# KiCad board vme-wren.kicad_pcb (continued)
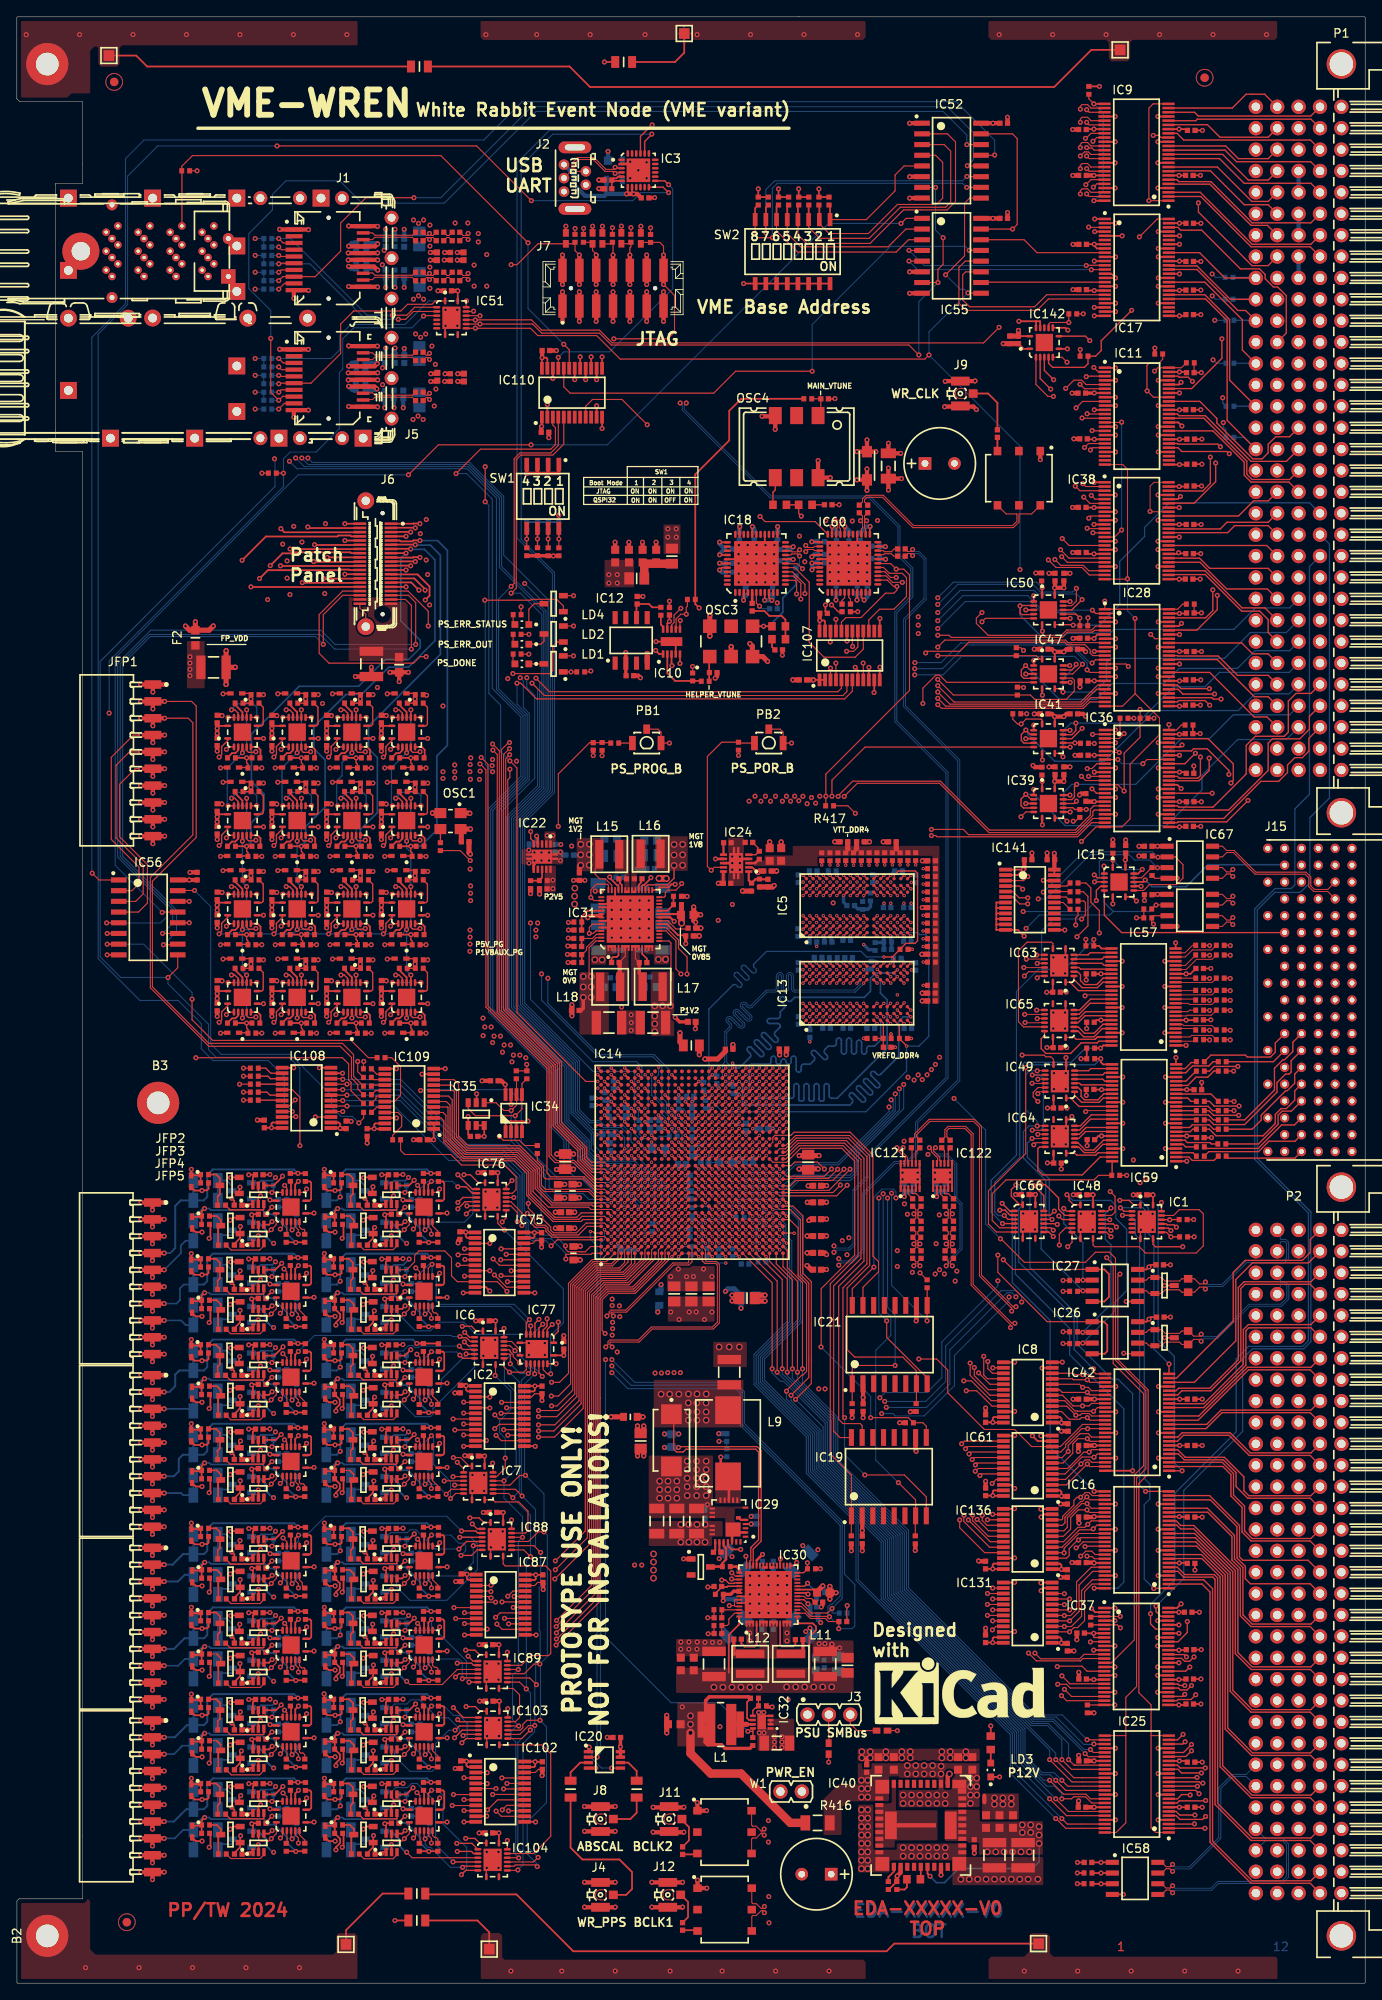
[diagram p0: board, top side]
## Placement (name value [footprint] x y rotation side) (continued)
R577  R0402_1K_1%_0.0625W_100PPM  [RESC1005X40N]  47.79 152.99 180 top
R578  R0402_4R7_1%_0.0625W_200PPM  [RESC1005X40N]  38.49 145.49 0 top
R579  R0402_4R7_1%_0.0625W_200PPM  [RESC1005X40N]  41.39 145.49 180 top
R580  R0402_4R7_1%_0.0625W_200PPM  [RESC1005X40N]  41.29 151.99 180 top
R581  R0402_4R7_1%_0.0625W_200PPM  [RESC1005X40N]  39.39 151.99 0 top
R582  R0402_1K_1%_0.0625W_100PPM  [RESC1005X40N]  40.92 144.29 180 top
R583  R0402_1K_1%_0.0625W_100PPM  [RESC1005X40N]  41.29 152.99 180 top
R585  R0402_10K_1%_0.0625W_100PPM  [RESC1005X40N]  33.21 70.62 90 bottom
R586  R0402_10K_1%_0.0625W_100PPM  [RESC1005X40N]  49.01 70.62 90 bottom
R587  R0402_10K_1%_0.0625W_100PPM  [RESC1005X40N]  33.21 60.62 90 bottom
R588  R0402_10K_1%_0.0625W_100PPM  [RESC1005X40N]  49.02 48.82 90 bottom
R589  R0402_10K_1%_0.0625W_100PPM  [RESC1005X40N]  33.22 38.82 90 bottom
R590  R0402_10K_1%_0.0625W_100PPM  [RESC1005X40N]  33.22 48.82 90 bottom
R591  R0402_10K_1%_0.0625W_100PPM  [RESC1005X40N]  49.02 38.82 90 bottom
R592  R0402_10K_1%_0.0625W_100PPM  [RESC1005X40N]  33.22 28.52 90 bottom
R593  R0402_10K_1%_0.0625W_100PPM  [RESC1005X40N]  33.22 18.52 90 bottom
R594  R0402_10K_1%_0.0625W_100PPM  [RESC1005X40N]  49.02 18.52 90 bottom
R595  R0402_10K_1%_0.0625W_100PPM  [RESC1005X40N]  49.02 28.52 90 bottom
SCREW1  -  [BOSSARD_BN5687-3061600_v]  65.44 250 90 top
SCREW2  -  [BOSSARD_BN5687-3061600_v]  72.44 250 90 top
SCREW3  -  [BOSSARD_BN5687-3061600_v]  65.44 257 90 top
SCREW4  -  [BOSSARD_BN5687-3061600_v]  72.44 257 90 top
SW1  -  [SW_TYCO_1571983-4]  62.46 176.54 270 top
SW2  -  [SW_TYCO_1-1571983-0]  92.13 205.59 270 top
T2  BSS138LT1G  [SOT95P240X110-3N]  63.75 156.64 180 top
T3  BSS138LT1G  [SOT95P240X110-3N]  63.75 160.19 180 top
T4  BSS138LT1G  [SOT95P240X110-3N]  63.75 163.79 180 top
T5  FDV301N  [SOT95P240X110-3N]  42.51 94.07 180 bottom
T7  FDV301N  [SOT95P240X110-3N]  26.71 94.07 180 bottom
T9  FDV301N  [SOT95P240X110-3N]  26.71 84.07 180 bottom
T11  FDV301N  [SOT95P240X110-3N]  42.51 84.07 180 bottom
T13  FDV301N  [SOT95P240X110-3N]  42.51 63.87 180 bottom
T15  FDV301N  [SOT95P240X110-3N]  26.71 73.87 180 bottom
T19  FDV301N  [SOT95P240X110-3N]  42.51 73.87 180 bottom
T21  FDV301N  [SOT95P240X110-3N]  26.71 63.87 180 bottom
T23  FDV301N  [SOT95P240X110-3N]  42.52 52.07 180 bottom
T25  FDV301N  [SOT95P240X110-3N]  26.72 42.07 180 bottom
T27  FDV301N  [SOT95P240X110-3N]  26.72 52.07 180 bottom
T29  FDV301N  [SOT95P240X110-3N]  42.52 42.07 180 bottom
T31  FDV301N  [SOT95P240X110-3N]  26.72 31.77 180 bottom
T35  FDV301N  [SOT95P240X110-3N]  26.72 21.77 180 bottom
T37  FDV301N  [SOT95P240X110-3N]  42.52 21.77 180 bottom
T39  FDV301N  [SOT95P240X110-3N]  42.52 31.77 180 bottom
T40  FDV301N  [SOT95P240X110-3N]  42.53 89.4 180 bottom
T41  FDV301N  [SOT95P240X110-3N]  26.73 89.4 180 bottom
T42  FDV301N  [SOT95P240X110-3N]  26.73 79.4 180 bottom
T43  FDV301N  [SOT95P240X110-3N]  42.53 79.4 180 bottom
T44  FDV301N  [SOT95P240X110-3N]  42.53 59.2 180 bottom
T45  FDV301N  [SOT95P240X110-3N]  26.73 69.2 180 bottom
T46  FDV301N  [SOT95P240X110-3N]  42.53 69.2 180 bottom
T47  FDV301N  [SOT95P240X110-3N]  26.73 59.2 180 bottom
T48  FDV301N  [SOT95P240X110-3N]  42.54 47.39 180 bottom
T49  FDV301N  [SOT95P240X110-3N]  26.74 37.39 180 bottom
T50  FDV301N  [SOT95P240X110-3N]  26.74 47.39 180 bottom
T51  FDV301N  [SOT95P240X110-3N]  42.54 37.39 180 bottom
T52  FDV301N  [SOT95P240X110-3N]  26.74 27.09 180 bottom
T53  FDV301N  [SOT95P240X110-3N]  26.74 17.09 180 bottom
T54  FDV301N  [SOT95P240X110-3N]  42.54 17.09 180 bottom
T55  FDV301N  [SOT95P240X110-3N]  42.54 27.09 180 bottom
TP1  SMD_PAD_1.27X1.27MM  [TPS127]  131.02 229.55 0 top
TP2  SMD_PAD_1.27X1.27MM  [TPS127]  39.09 4.6 0 top
TP3  SMD_PAD_1.27X1.27MM  [TPS127]  79.26 231.49 0 top
TP4  SMD_PAD_1.27X1.27MM  [TPS127]  121.34 4.7 90 top
TP5  SMD_PAD_1.27X1.27MM  [TPS127]  10.93 228.87 0 top
TP6  SMD_PAD_1.27X1.27MM  [TPS127]  56.1 4.04 90 top
TR1  XFMR_MINI-CIRCUITS_ADT2-1T+  [XFMR_MINI-CIRCUITS_CD542]  84.04 17.94 270 top
TR2  XFMR_MINI-CIRCUITS_ADT2-1T+  [XFMR_MINI-CIRCUITS_CD542]  119 178.69 180 top
TR3  XFMR_MINI-CIRCUITS_ADT2-1T+  [XFMR_MINI-CIRCUITS_CD542]  84.06 8.74 270 top
W1  -  [SAMTEC_MTLW-102-07-L-S-250]  93.22 22.76 180 top
WASHER1  -  [BOSSARD_BN678-8303525_v]  65.44 264 90 top
WASHER2  -  [BOSSARD_BN678-8303525_v]  72.44 264 90 top
WASHER3  -  [BOSSARD_BN678-8303525_v]  65.44 271 90 top
WASHER4  -  [BOSSARD_BN678-8303525_v]  72.44 271 90 top

## Library data of the parts
B1-B3 = -: Datasheet: Undefined; Description: Plated Hole; Library Ref: Single Terminal Socket; Library Path: SchLib\Pads.SchLib; Component Kind: Standard (No BOM); Component Type: Standard (No BOM); Pin Count: 1; Footprint Path: PcbLib\Pads.PcbLib; Footprint Ref: MTG270_500; Family: Plated Hole; Mounted: No; Socket: No; SMD: No; Sense: No; Status: None; Part Description: Plated Through Hole: Hole Dia.=2.7mm Pad Dia.=5.0mm; ComponentHeight: 0mm; HelpURL: Undefined; Author: CERN DEM JMW; CreateDate: 09/27/11 00:00:00; LatestRevisionDate: 09/27/11 00:00:00; PackageDescription: Plated Through Hole: Hole Dia.=2.7mm Pad Dia.=5.0mm; Database Table Name: Eletro-mechanical; Library Name: Pads; Footprint Library: Pads; License: CC-BY-SA 4.0
C1 C2 C169 C349 = -: Datasheet: \\cern.ch\dfs\Applications\Altium\Datasheets\CC1206_X7R_KEMET.pdf; Author: CERN DEM JLC; Case: 1206; Comment: 10uF; Component Kind: Standard; Component Type: Standard; CreateDate: 09/12/12 00:00:00; Database Table Name: Capacitors; Footprint Library: Capacitors SMD; Footprint Path: PcbLib\Capacitors SMD.PcbLib; Footprint Ref: CAPC3216X180N; HelpURL: \\cern.ch\dfs\Applications\Altium\Datasheets\CC1206_X7R_KEMET.pdf; LatestRevisionDate: 09/12/12 00:00:00; Library Name: Capacitors SMD; Library Path: SchLib\Capacitors.SchLib; Library Ref: Capacitor - non polarized; License: CC-BY-SA 4.0; Manufacturer: GENERIC; Manufacturer1 ComponentHeight: 1.8mm; Manufacturer1 Example: KEMET; Manufacturer1 Part Number: C1206C106K4RACTU; Mounted: Yes; Part Description: SMD Multilayer Chip Ceramic Capacitor; Pin Count: 2; SMD: Yes; Sense: No; Socket: No; Status: Preferred; TC: X7R; Tolerance: ±10%; Val: 10uF; Voltage: 25V
C3 C4 C6 C7 C9-C13 C102 C346 C352 C355-C362 = -: Datasheet: \\cern.ch\dfs\Applications\Altium\Datasheets\CC0402_X5R_TDK_C.pdf; TC: X5R; SMD: Yes; Val: 10uF; Library Ref: Capacitor - non polarized; Library Path: SchLib\Capacitors.SchLib; Comment: 10uF; Component Kind: Standard; Component Type: Standard; Pin Count: 2; Footprint Path: PcbLib\Capacitors SMD.PcbLib; Footprint Ref: CAPC1005X70N; Status: Preferred; Voltage: 6.3V; Tolerance: ±10%; Part Description: SMD Multilayer Chip Ceramic Capacitor; Manufacturer: GENERIC; Case: 0402; Mounted: Yes; Socket: No; Sense: No; Manufacturer1 Example: TDK; Manufacturer1 Part Number: C1005X5R0J106M050; Manufacturer1 ComponentHeight: 0.70mm; HelpURL: \\cern.ch\dfs\Applications\Altium\Datasheets\CC0402_X5R_TDK_C.pdf; Author: CERN DEM JLC; CreateDate: 01/07/15 00:00:00; LatestRevisionDate: 01/07/15 00:00:00; Database Table Name: Capacitors; Library Name: Capacitors SMD; Footprint Library: Capacitors SMD; License: CC-BY-SA 4.0
C5 C8 C14 C20-C24 C28 C47 C50 C51 C54-C57 C60-C64 C70-C74 C87-C89 C103 C109-C111 C114 C124 C125 C138 C139 C141-C145 C147 C163 C166-C168 C170 C172 C173 C176 C177 C186 C187 C189 C191 C192 C207-C209 C215-C217 C219 C222 C223 C226-C230 C233-C244 C247 C249-C254 C269 C297 C301 C305-C308 C318 C345 C354 C363-C368 C370-C380 C382 C384 C386 C388-C396 C398-C402 C404-C412 C414-C418 C420-C424 C426-C434 C436-C440 C442-C446 C448-C452 C454-C462 C464-C489 C491-C496 C498-C502 C504-C508 C510-C517 C519 C521 C523 C525-C527 C529 C531 C533 C535-C537 C539 C541 C543 C546-C549 = -: Datasheet: \\cern.ch\dfs\Applications\Altium\Datasheets\CC0402_X7R_MURATA_GRM.pdf; Description: 100nF; TC: X7R; SMD: Yes; Library Ref: Capacitor - non polarized; Library Path: SchLib\Capacitors.SchLib; Comment: 100nF; Component Kind: Standard; Component Type: Standard; Pin Count: 2; Footprint Path: PcbLib\Capacitors SMD.PcbLib; Footprint Ref: CAPC1005X55N; Status: Not Recommended; Voltage: 16V; Tolerance: ±10%; Part Description: SMD Multilayer Chip Ceramic Capacitor; Manufacturer: GENERIC; Case: 0402; Mounted: Yes; Socket: No; Sense: No; Manufacturer1 Example: MURATA; Manufacturer1 Part Number: GRM155R71C104KA88D; Manufacturer1 ComponentHeight: 0.55mm; HelpURL: \\cern.ch\dfs\Applications\Altium\Datasheets\CC0402_X7R_MURATA_GRM.pdf; Author: CERN DEM JLC; CreateDate: 12/05/13 00:00:00; LatestRevisionDate: 12/03/07 00:00:00; Database Table Name: Capacitors; Library Name: Capacitors SMD; Footprint Library: Capacitors SMD; License: CC-BY-SA 4.0
C15-C18 C133 C134 C161 C272 C281 C283 C291 C296 C303 C304 C310 C313 C316 = -: Datasheet: \\cern.ch\dfs\Applications\Altium\Datasheets\CC0603_X5R_TDK_C.pdf; Author: CERN DEM BC; Case: 0603; Comment: 22uF; Component Kind: Standard; Component Type: Standard; CreateDate: 12/03/20 00:00:00; Database Table Name: Capacitors; Footprint Library: Capacitors SMD; Footprint Path: PcbLib\Capacitors SMD.PcbLib; Footprint Ref: CAPC1608X90N; HelpURL: \\cern.ch\dfs\Applications\Altium\Datasheets\CC0603_X5R_TDK_C.pdf; LatestRevisionDate: 12/03/20 00:00:00; Library Name: Capacitors SMD; Library Path: SchLib\Capacitors.SchLib; Library Ref: Capacitor - non polarized; License: CC-BY-SA 4.0; Manufacturer: GENERIC; Manufacturer1 ComponentHeight: 0.9mm; Manufacturer1 Example: TDK; Manufacturer1 Part Number: C1608X5R1A226M080; Mounted: Yes; Part Description: SMD Multilayer Chip Ceramic Capacitor; Pin Count: 2; SMD: Yes; Sense: No; Socket: No; Status: None; TC: X5R; Tolerance: ±20%; Val: 22uF; Voltage: 10V
C19 C25 C30 C31 C49 C77 C78 C90 C91 C127 C146 C150 C155 C157 C174 C175 C194 C195 C214 C340-C344 = -: Datasheet: \\cern.ch\dfs\Applications\Altium\Datasheets\CC0402_X5R_TDK_C.pdf; Author: CERN DEM JLC; Case: 0402; Comment: 4.7uF; Component Kind: Standard; Component Type: Standard; CreateDate: 03/03/15 00:00:00; Database Table Name: Capacitors; Footprint Library: Capacitors SMD; Footprint Path: PcbLib\Capacitors SMD.PcbLib; Footprint Ref: CAPC1005X55N; HelpURL: \\cern.ch\dfs\Applications\Altium\Datasheets\CC0402_X5R_TDK_C.pdf; LatestRevisionDate: 03/03/15 00:00:00; Library Name: Capacitors SMD; Library Path: SchLib\Capacitors.SchLib; Library Ref: Capacitor - non polarized; License: CC-BY-SA 4.0; Manufacturer: GENERIC; Manufacturer1 ComponentHeight: 0.65mm; Manufacturer1 Example: TDK; Manufacturer1 Part Number: C1005X5R0J475M050; Mounted: Yes; Part Description: SMD Multilayer Chip Ceramic Capacitor; Pin Count: 2; SMD: Yes; Sense: No; Socket: No; Status: Preferred; TC: X5R; Tolerance: ±20%; Val: 4.7uF; Voltage: 6.3V
C26 C29 C32 C39 C41 C43 C45 C46 C58 C67 C80 C82 C84 C86 C97 C101 C105-C108 C119 C137 = -: Datasheet: \\cern.ch\dfs\Applications\Altium\Datasheets\CC0402_X5R_TDK_C.pdf; Author: CERN DEM JLC; Case: 0402; Comment: 10uF; Component Kind: Standard; Component Type: Standard; CreateDate: 01/07/15 00:00:00; Database Table Name: Capacitors; Footprint Library: Capacitors SMD; Footprint Path: PcbLib\Capacitors SMD.PcbLib; Footprint Ref: CAPC1005X70N; HelpURL: \\cern.ch\dfs\Applications\Altium\Datasheets\CC0402_X5R_TDK_C.pdf; LatestRevisionDate: 01/07/15 00:00:00; Library Name: Capacitors SMD; Library Path: SchLib\Capacitors.SchLib; Library Ref: Capacitor - non polarized; License: CC-BY-SA 4.0; Manufacturer: GENERIC; Manufacturer1 ComponentHeight: 0.70mm; Manufacturer1 Example: TDK; Manufacturer1 Part Number: C1005X5R0J106M050; Mounted: Yes; Part Description: SMD Multilayer Chip Ceramic Capacitor; Pin Count: 2; SMD: Yes; Sense: No; Socket: No; Status: Preferred; TC: X5R; Tolerance: ±10%; Val: 10uF; Voltage: 6.3V
C27 C38 C40 C42 C100 = -: Datasheet: \\cern.ch\dfs\Applications\Altium\Datasheets\CC0603_MURATA_GRM188R60J476ME15D.pdf; Author: CERN DEM JLC; Case: 0603; Comment: 47uF; Component Kind: Standard; Component Type: Standard; CreateDate: 02/01/18 00:00:00; Database Table Name: Capacitors; Footprint Library: Capacitors SMD; Footprint Path: PcbLib\Capacitors SMD.PcbLib; Footprint Ref: CAPC1608X100N; HelpURL: \\cern.ch\dfs\Applications\Altium\Datasheets\CC0603_MURATA_GRM188R60J476ME15D.pdf; LatestRevisionDate: 02/01/18 00:00:00; Library Name: Capacitors SMD; Library Path: SchLib\Capacitors.SchLib; Library Ref: Capacitor - non polarized; License: CC-BY-SA 4.0; Manufacturer: GENERIC; Manufacturer1 ComponentHeight: 1mm; Manufacturer1 Example: MURATA; Manufacturer1 Part Number: GRM188R60J476ME15D; Mounted: Yes; Part Description: SMD Multilayer Chip Ceramic Capacitor; Pin Count: 2; SMD: Yes; Sense: No; Socket: No; Status: None; TC: X5R; Tolerance: ±20%; Val: 47uF; Voltage: 6.3V
C33 = -: Datasheet: \\cern.ch\dfs\Applications\Altium\Datasheets\CC1210_X5R_TAIYO-YUDEN_HIGH-VALUE.pdf; Author: CERN DEM JLC; Case: 1210; Comment: 330uF; Component Kind: Standard; Component Type: Standard; CreateDate: 02/20/18 00:00:00; Database Table Name: Capacitors; Footprint Library: Capacitors SMD; Footprint Path: PcbLib\Capacitors SMD.PcbLib; Footprint Ref: CAPC3225X280N; HelpURL: \\cern.ch\dfs\Applications\Altium\Datasheets\CC1210_X5R_TAIYO-YUDEN_HIGH-VALUE.pdf; LatestRevisionDate: 02/20/18 00:00:00; Library Name: Capacitors SMD; Library Path: SchLib\Capacitors.SchLib; Library Ref: Capacitor - non polarized; License: CC-BY-SA 4.0; Manufacturer: GENERIC; Manufacturer1 ComponentHeight: 2.8mm; Manufacturer1 Example: TAIYO YUDEN; Manufacturer1 Part Number: AMK325ABJ337MM-P; Mounted: Yes; Part Description: SMD Multilayer Chip Ceramic Capacitor; Pin Count: 2; SMD: Yes; Sense: No; Socket: No; Status: None; TC: X5R; Tolerance: ±20%; Val: 330uF; Voltage: 4V
C34-C37 C44 C79 C81 C83 C85 C104 C160 C221 C245 C309 = -: Datasheet: \\cern.ch\dfs\Applications\Altium\Datasheets\CC0805_MURATA_GRM21BC80G107ME15.pdf; Author: CERN DEM BC; Case: 0805; Comment: 100uF; Component Kind: Standard; Component Type: Standard; ComponentHeight: 1.45mm; CreateDate: 09/02/20 00:00:00; Database Table Name: Capacitors; Footprint Library: Capacitors SMD; Footprint Path: PcbLib\Capacitors SMD.PcbLib; Footprint Ref: CAPC2013X145N; HelpURL: \\cern.ch\dfs\Applications\Altium\Datasheets\CC0805_MURATA_GRM21BC80G107ME15.pdf; LatestRevisionDate: 09/02/20 00:00:00; Library Name: Capacitors SMD; Library Path: SchLib\Capacitors.SchLib; Library Ref: Capacitor - non polarized; License: CC-BY-SA 4.0; Manufacturer: MURATA; Manufacturer Part Number: GRM21BC80G107ME15; Mounted: Yes; Part Description: Chip Multilayer Ceramic Capacitor for General Purpose; Pin Count: 2; SMD: Yes; Sense: No; Socket: No; Status: Not Recommended; TC: X6S; Tolerance: ±20%; Val: 100uF; Voltage: 4V
C48 = -: Datasheet: \\cern.ch\dfs\Applications\Altium\Datasheets\CC0402_C0G_KEMET_(Commercial Grade).pdf; Author: CERN DEM JLC; Case: 0402; Comment: 27pF; Component Kind: Standard; Component Type: Standard; CreateDate: 10/25/12 00:00:00; Database Table Name: Capacitors; Footprint Library: Capacitors SMD; Footprint Path: PcbLib\Capacitors SMD.PcbLib; Footprint Ref: CAPC1005X55N; HelpURL: \\cern.ch\dfs\Applications\Altium\Datasheets\CC0402_C0G_KEMET_(Commercial Grade).pdf; LatestRevisionDate: 04/22/15 00:00:00; Library Name: Capacitors SMD; Library Path: SchLib\Capacitors.SchLib; Library Ref: Capacitor - non polarized; License: CC-BY-SA 4.0; Manufacturer: GENERIC; Manufacturer1 ComponentHeight: 0.55mm; Manufacturer1 Example: KEMET; Manufacturer1 Part Number: C0402C270J5GACTU; Mounted: Yes; Part Description: SMD Multilayer Chip Ceramic Capacitor; Pin Count: 2; SMD: Yes; Sense: No; Socket: No; Status: Preferred; TC: C0G/NP0; Tolerance: ±5%; Val: 27pF; Voltage: 50V
C52 C68 C69 C115 C121-C123 C129 C132 C135 C148 C149 C151 C152 C171 C213 C220 C255-C259 C261-C264 C275 C325 C327 C329 C331 C333 C335 C337 C339 = -: Datasheet: \\cern.ch\dfs\Applications\Altium\Datasheets\CC0402_X5R_TDK_C.pdf; Author: CERN DEM BC; Case: 0402; Comment: 1uF; Component Kind: Standard; Component Type: Standard; CreateDate: 02/17/20 00:00:00; Database Table Name: Capacitors; Footprint Library: Capacitors SMD; Footprint Path: PcbLib\Capacitors SMD.PcbLib; Footprint Ref: CAPC1005X55N; HelpURL: \\cern.ch\dfs\Applications\Altium\Datasheets\CC0402_X5R_TDK_C.pdf; LatestRevisionDate: 02/17/20 00:00:00; Library Name: Capacitors SMD; Library Path: SchLib\Capacitors.SchLib; Library Ref: Capacitor - non polarized; License: CC-BY-SA 4.0; Manufacturer: GENERIC; Manufacturer1 ComponentHeight: 0.55mm; Manufacturer1 Example: TDK; Manufacturer1 Part Number: C1005X5R1E105K050; Mounted: Yes; Part Description: SMD Multilayer Chip Ceramic Capacitor; Pin Count: 2; SMD: Yes; Sense: No; Socket: No; Status: Preferred; TC: X5R; Tolerance: ±10%; Val: 1uF; Voltage: 25V
C53 C59 C65 C66 C75 C76 C118 C140 C158 C159 C162 C165 C218 C246 C248 C267 C268 C277-C280 C302 C347 C348 C350 C351 C353 = -: Datasheet: \\cern.ch\dfs\Applications\Altium\Datasheets\CC0402_X7R_MURATA_GRM.pdf; Description: 100nF; Author: CERN DEM JLC; Case: 0402; Comment: 100nF; Component Kind: Standard; Component Type: Standard; CreateDate: 12/05/13 00:00:00; Database Table Name: Capacitors; Footprint Library: Capacitors SMD; Footprint Path: PcbLib\Capacitors SMD.PcbLib; Footprint Ref: CAPC1005X55N; HelpURL: \\cern.ch\dfs\Applications\Altium\Datasheets\CC0402_X7R_MURATA_GRM.pdf; LatestRevisionDate: 12/03/07 00:00:00; Library Name: Capacitors SMD; Library Path: SchLib\Capacitors.SchLib; Library Ref: Capacitor - non polarized; License: CC-BY-SA 4.0; Manufacturer: GENERIC; Manufacturer1 ComponentHeight: 0.55mm; Manufacturer1 Example: MURATA; Manufacturer1 Part Number: GRM155R71C104KA88D; Mounted: Yes; Part Description: SMD Multilayer Chip Ceramic Capacitor; Pin Count: 2; SMD: Yes; Sense: No; Socket: No; Status: Not Recommended; TC: X7R; Tolerance: ±10%; Voltage: 16V
C92-C96 C98 C178 C179 C182 C183 C198 C199 C202 C203 = -: Datasheet: \\cern.ch\dfs\Applications\Altium\Datasheets\CC0402_X5R_KEMET.pdf; Author: CERN DEM JLC; Case: 0402; Comment: 470nF; Component Kind: Standard; Component Type: Standard; CreateDate: 04/22/10 00:00:00; Database Table Name: Capacitors; Footprint Library: Capacitors SMD; Footprint Path: PcbLib\Capacitors SMD.PcbLib; Footprint Ref: CAPC1005X55N; HelpURL: \\cern.ch\dfs\Applications\Altium\Datasheets\CC0402_X5R_KEMET.pdf; LatestRevisionDate: 03/18/21 00:00:00; Library Name: Capacitors SMD; Library Path: SchLib\Capacitors.SchLib; Library Ref: Capacitor - non polarized; License: CC-BY-SA 4.0; Manufacturer: GENERIC; Manufacturer1 ComponentHeight: 0.55mm; Manufacturer1 Example: KEMET; Manufacturer1 Part Number: C0402C474K9PACTU; Mounted: Yes; Part Description: SMD Multilayer Chip Ceramic Capacitor; Pin Count: 2; SMD: Yes; Sense: No; Socket: No; Status: Preferred; TC: X5R; Tolerance: ±10%; Val: 470nF; Voltage: 6.3V
C99 C136 C265 C266 C292-C295 = -: Datasheet: \\cern.ch\dfs\Applications\Altium\Datasheets\CC0402_X7R_PHYCOMP.pdf; Author: CERN DEM JLC; Case: 0402; Comment: 10nF; Component Kind: Standard; Component Type: Standard; CreateDate: 12/03/07 00:00:00; Database Table Name: Capacitors; Footprint Library: Capacitors SMD; Footprint Path: PcbLib\Capacitors SMD.PcbLib; Footprint Ref: CAPC1005X55N; HelpURL: \\cern.ch\dfs\Applications\Altium\Datasheets\CC0402_X7R_PHYCOMP.pdf; LatestRevisionDate: 12/03/07 00:00:00; Library Name: Capacitors SMD; Library Path: SchLib\Capacitors.SchLib; Library Ref: Capacitor - non polarized; License: CC-BY-SA 4.0; Manufacturer: GENERIC; Manufacturer1 ComponentHeight: 0.55mm; Manufacturer1 Example: PHYCOMP; Manufacturer1 Part Number: 223878715636; Mounted: Yes; Part Description: SMD Multilayer Chip Ceramic Capacitor; Pin Count: 2; SMD: Yes; Sense: No; Socket: No; Status: Not Recommended; TC: X7R; Tolerance: ±10%; Val: 10nF; Voltage: 16V
C112 C113 C128 C130 C131 C153 C156 C224 C225 C232 = -: Datasheet: \\cern.ch\dfs\Applications\Altium\Datasheets\CC0402_TAIYO-YUDEN_TMK105B7104KVHF.pdf; Author: CERN DEM JLC; Case: 0402; Comment: 100nF; Component Kind: Standard; Component Type: Standard; ComponentHeight: 0.55mm; CreateDate: 05/10/17 00:00:00; Database Table Name: Capacitors; Footprint Library: Capacitors SMD; Footprint Path: PcbLib\Capacitors SMD.PcbLib; Footprint Ref: CAPC1005X55N; HelpURL: \\cern.ch\dfs\Applications\Altium\Datasheets\CC0402_TAIYO-YUDEN_TMK105B7104KVHF.pdf; LatestRevisionDate: 05/10/17 00:00:00; Library Name: Capacitors SMD; Library Path: SchLib\Capacitors.SchLib; Library Ref: Capacitor - non polarized; License: CC-BY-SA 4.0; Manufacturer: TAIYO YUDEN; Manufacturer Part Number: TMK105B7104KVHF; Mounted: Yes; Part Description: SMD Multilayer Chip Ceramic Capacitor (High Dielectric Type) for Automotive / Industrial Applications; Pin Count: 2; SMD: Yes; Sense: No; Socket: No; Status: Not Recommended; TC: X7R; Tolerance: ±10%; Val: 100nF; Voltage: 25V
C116 C324 C326 C328 C330 = -: Datasheet: \\cern.ch\dfs\Applications\Altium\Datasheets\CC1206_X5R_TDK_C.pdf; Author: CERN DEM JLC; Case: 1206; Comment: 47uF; Component Kind: Standard; Component Type: Standard; CreateDate: 11/20/13 00:00:00; Database Table Name: Capacitors; Footprint Library: Capacitors SMD; Footprint Path: PcbLib\Capacitors SMD.PcbLib; Footprint Ref: CAPC3216X180N; HelpURL: \\cern.ch\dfs\Applications\Altium\Datasheets\CC1206_X5R_TDK_C.pdf; LatestRevisionDate: 03/14/17 00:00:00; Library Name: Capacitors SMD; Library Path: SchLib\Capacitors.SchLib; Library Ref: Capacitor - non polarized; License: CC-BY-SA 4.0; Manufacturer: GENERIC; Manufacturer1 ComponentHeight: 1.8mm; Manufacturer1 Example: TDK; Manufacturer1 Part Number: C3216X5R1E476M160; Mounted: Yes; Part Description: SMD Multilayer Chip Ceramic Capacitor; Pin Count: 2; SMD: Yes; Sense: No; Socket: No; Status: None; TC: X5R; Tolerance: ±20%; Val: 47uF; Voltage: 25V